# Altium PCB Graviton-EC2-Simplified.PcbDoc (part 1 of 9) (continued)
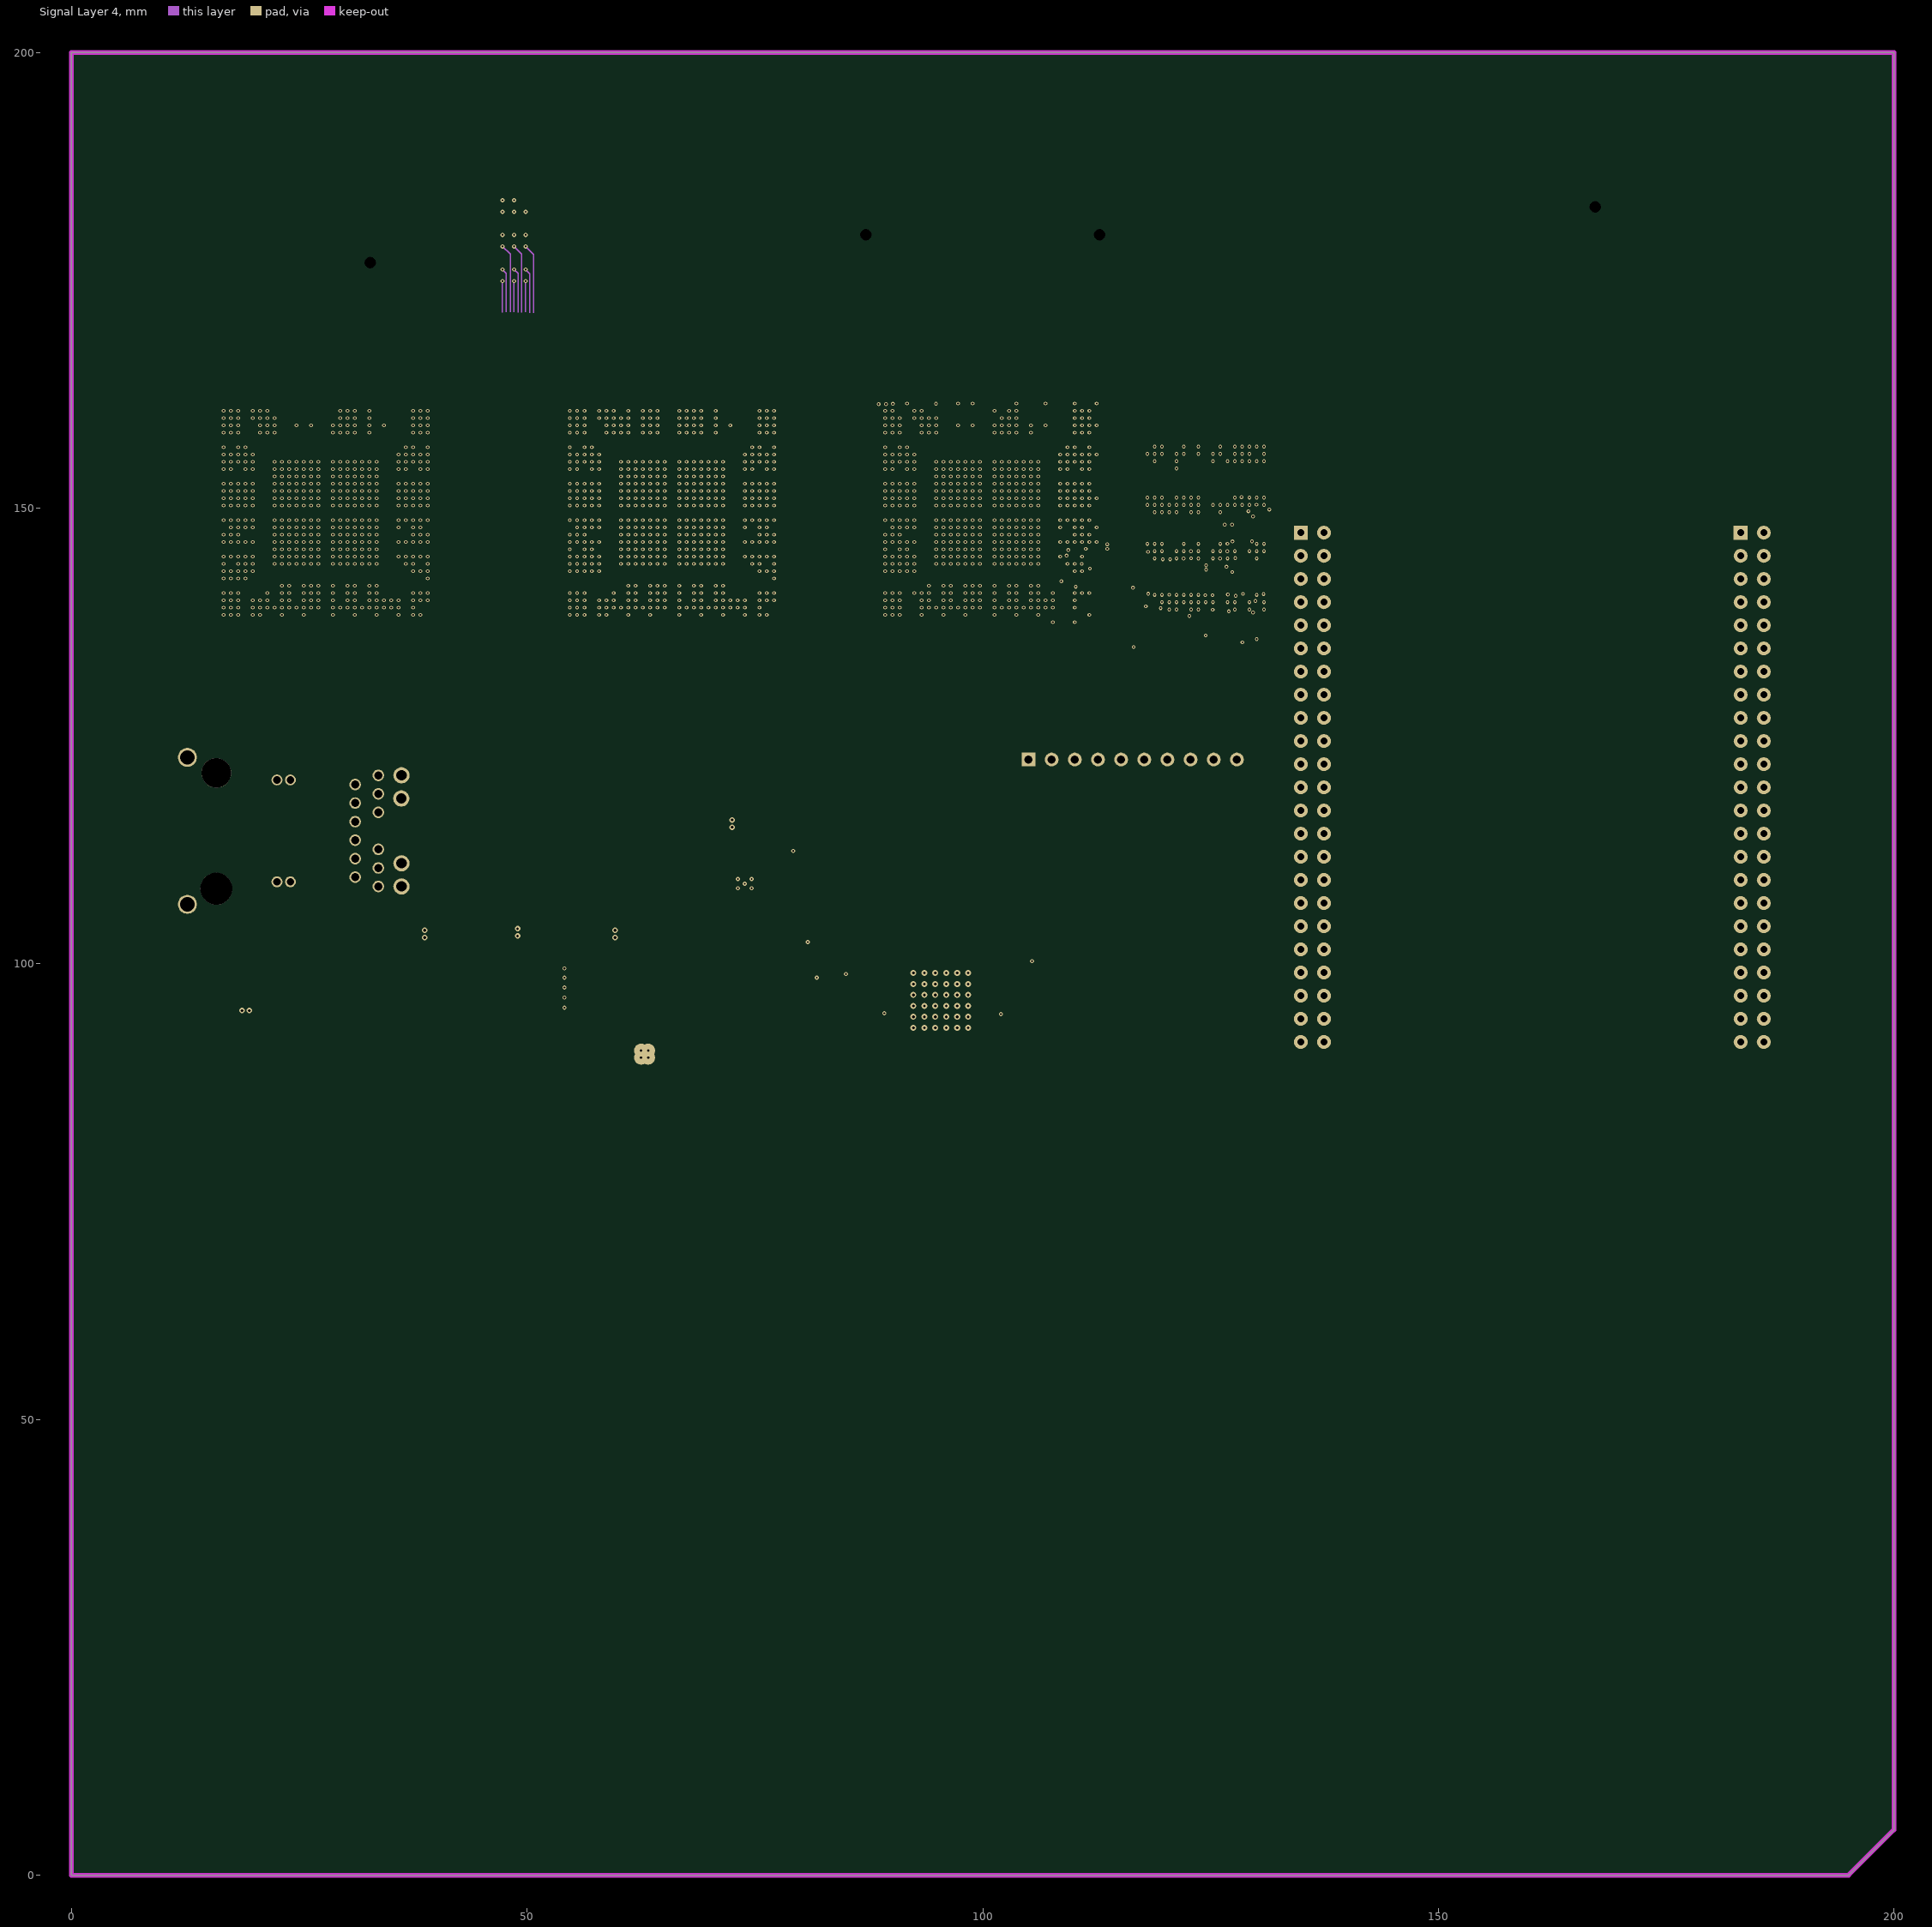
[diagram p8: Signal Layer 4]
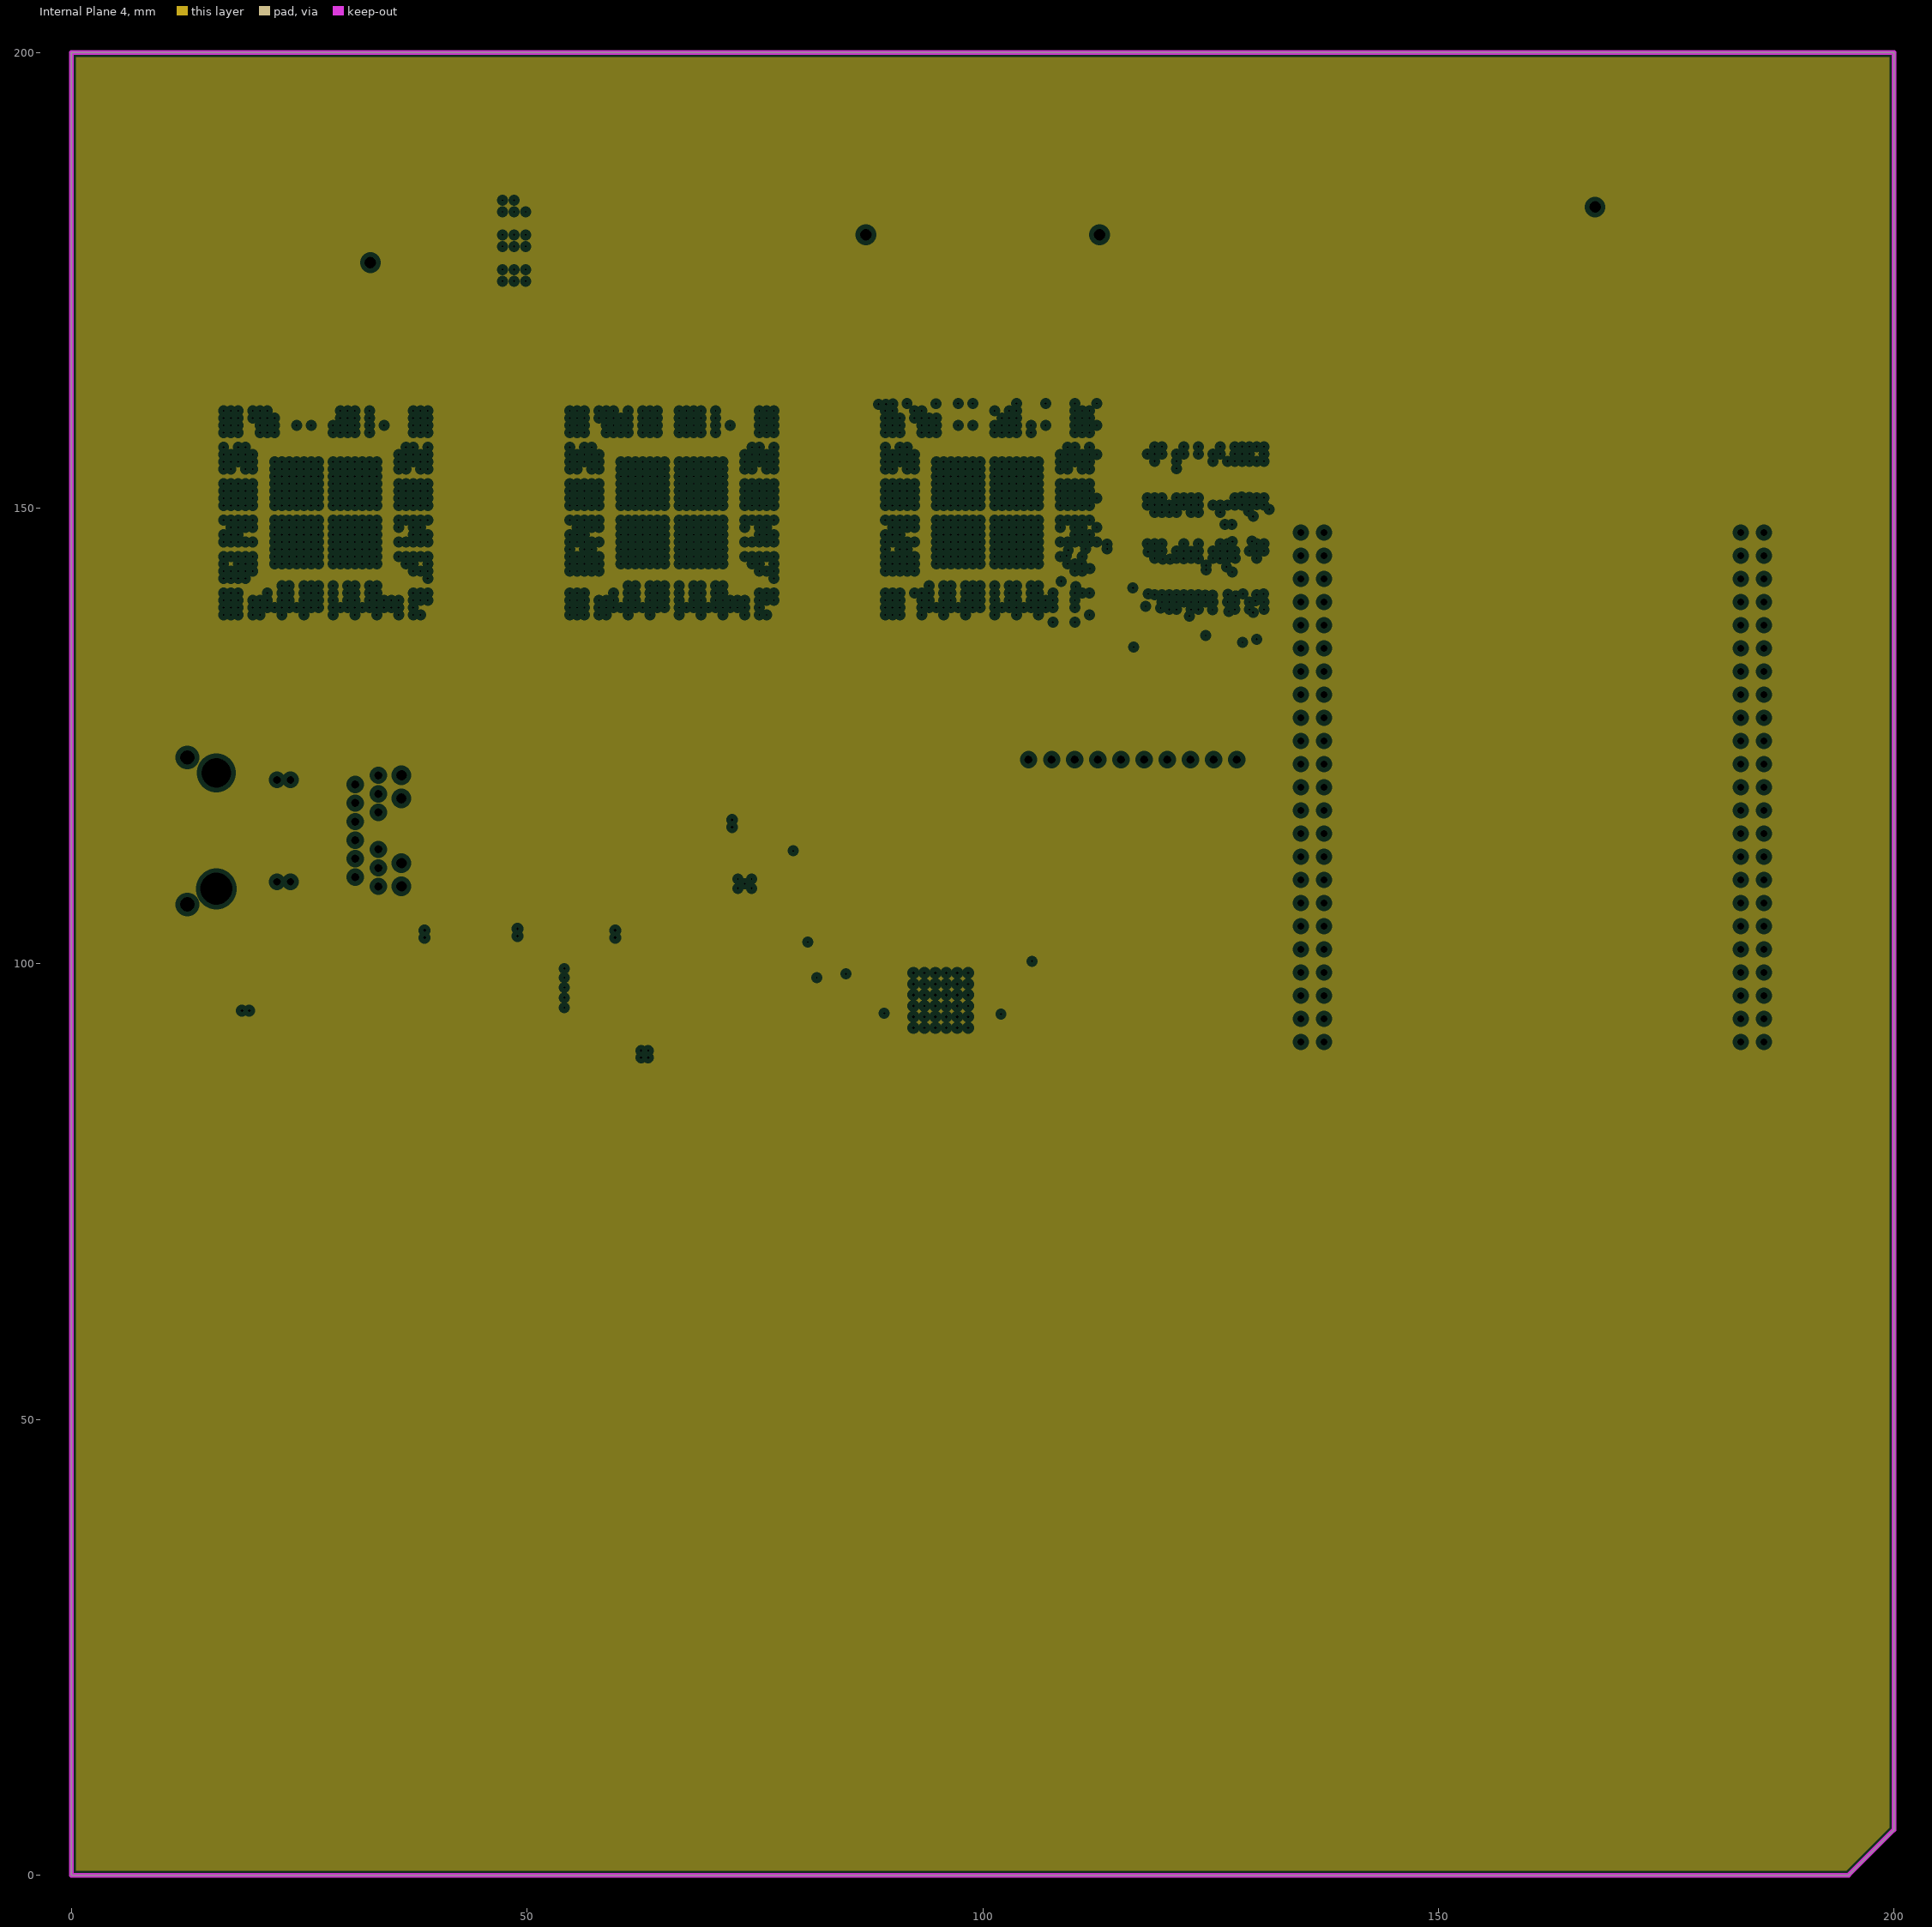
[diagram p9: Internal Plane 4, clearances drawn from the general rule]

## Layer stack, top to bottom
Top Solder: solder mask 0.0102, Solder Resist, Dk 3.5
Top Layer: signal copper 0.036
Dielectric 1: core 0.0991, FR408, Dk 3.67
Internal Plane 1: plane copper 0.018
Dielectric 2: prepreg 0.0991, FR408, Dk 3.67
Signal Layer 1: signal copper 0.018
Dielectric 3: core 0.0991, FR408, Dk 3.67
Internal Plane 2: plane copper 0.036
Dielectric 4: prepreg 0.127, FR408, Dk 4.2
Signal Layer 2: signal copper 0.018
Dielectric 5: core 0.254, FR408, Dk 4.2
Signal Layer 3: signal copper 0.018
Dielectric 6: prepreg 0.127, FR408, Dk 4.2
Internal Plane 3: plane copper 0.018
Dielectric 7: core 0.254, FR408, Dk 4.2
Signal Layer 4: signal copper 0.018
Dielectric 8: prepreg 0.127, FR408, Dk 4.2
Internal Plane 4: plane copper 0.018
Dielectric 9: core 0.254, FR408, Dk 4.2
Bottom Layer: signal copper 0.036
Bottom Solder: solder mask 0.0102, Solder Resist, Dk 3.5

## Board outline
0,0 195,0 200,5 200,200 0,200

## Design rules (kind name [scope] priority, off if disabled: settings)
Clearance Clearance_BGA [WithinRoom('BGA_U19A') Or WithinRoom('BGA_U19B') Or WithinRoom('BGA_U19C')] p1: gap=0.102
Clearance [All] p2: gap=0.127
ComponentClearance [All] p1 off: gap=0.254 collisioncheckmode=3 verticalgap=0.254 showdistances=FALSE
DiffPairsRouting [All] p1: maxlimit=0.127 minlimit=0.08 mostfreqgap=0.08 toplayer_mingap=0.127 toplayer_prefgap=0.127 toplayer_minwidth=0.076 toplayer_maxwidth=0.076 toplayer_prefwidth=0.076 midlayer2_maxgap=0.08 midlayer2_minwidth=0.076 midlayer2_maxwidth=0.076 midlayer2_prefwidth=0.076 midlayer4_maxgap=0.08 midlayer4_minwidth=0.076 midlayer4_maxwidth=0.076 midlayer4_prefwidth=0.076 midlayer5_maxgap=0.08 midlayer5_minwidth=0.076 midlayer5_maxwidth=0.076 midlayer5_prefwidth=0.076 midlayer7_maxgap=0.08 midlayer7_minwidth=0.076 midlayer7_maxwidth=0.076 midlayer7_prefwidth=0.076 bottomlayer_mingap=0.127 bottomlayer_prefgap=0.127 bottomlayer_minwidth=0.076 bottomlayer_maxwidth=0.076 bottomlayer_prefwidth=0.076 maxuncoupledlength=12.7
FanoutControl Fanout_BGA [IsBGA] p1: bgadir=Out bgaviamode=Centered fanoutstyle=BGA fanoutdirection=Alternating viagrid=0.025 // Fanout_BGA (Default Rule)
HoleSize [All] p1: absolutevalues=TRUE maxlimit=25.4 minlimit=0.254 maxpercent=80.000 minpercent=20.000
Length "Schematic Length Constraint" [InNet('NetR43_1')] p1: maxlimit=50.8 minlimit=0
MatchedLengths MatchedLengths-DDR-DQS0 [InNetClass('DDR-DQS0')] p1: tolerance=0.508 checknetsindiffpair=FALSE checkdiffpairvsdiffpair=TRUE checkxsignals=TRUE checkothers=TRUE
MatchedLengths MatchedLengths-DDR-ALL [InNetClass('DDR-ALL')] p2: tolerance=50.8 checknetsindiffpair=FALSE checkdiffpairvsdiffpair=TRUE checkxsignals=TRUE checkothers=TRUE
MatchedLengths MatchedLengths-DDR-DQS3 [InNetClass('DDR-DQS3')] p3: tolerance=0.508 checknetsindiffpair=FALSE checkdiffpairvsdiffpair=TRUE checkxsignals=TRUE checkothers=TRUE
MatchedLengths MatchedLengths-DDR-DQS2 [InNetClass('DDR-DQS2')] p4: tolerance=0.508 checknetsindiffpair=FALSE checkdiffpairvsdiffpair=TRUE checkxsignals=TRUE checkothers=TRUE
MatchedLengths MatchedLengths-DDR-DQS1 [InNetClass('DDR-DQS1')] p5: tolerance=0.508 checknetsindiffpair=FALSE checkdiffpairvsdiffpair=TRUE checkxsignals=TRUE checkothers=TRUE
MatchedLengths MatchedLengths-P1A.DDRCC [InNetClass('P1A.DDRCC')] p6: tolerance=6 checknetsindiffpair=FALSE checkdiffpairvsdiffpair=TRUE checkxsignals=TRUE checkothers=TRUE
MatchedLengths MatchedLengths-P1A.SDRCC [InNetClass('P1A.SDRCC')] p7: tolerance=6 checknetsindiffpair=FALSE checkdiffpairvsdiffpair=TRUE checkxsignals=TRUE checkothers=TRUE
MatchedLengths MatchedLengths-P1B.DDRCC [InNetClass('P1B.DDRCC')] p8: tolerance=6 checknetsindiffpair=FALSE checkdiffpairvsdiffpair=TRUE checkxsignals=TRUE checkothers=TRUE
MatchedLengths MatchedLengths-P1B.SDRCC [InNetClass('P1B.SDRCC')] p9: tolerance=6 checknetsindiffpair=FALSE checkdiffpairvsdiffpair=TRUE checkxsignals=TRUE checkothers=TRUE
MatchedLengths MatchedLengths-P2A.DDRCC [InNetClass('P2A.DDRCC')] p10: tolerance=6 checknetsindiffpair=FALSE checkdiffpairvsdiffpair=TRUE checkxsignals=TRUE checkothers=TRUE
MatchedLengths MatchedLengths-P2A.SDRCC [InNetClass('P2A.SDRCC')] p11: tolerance=6 checknetsindiffpair=FALSE checkdiffpairvsdiffpair=TRUE checkxsignals=TRUE checkothers=TRUE
MatchedLengths MatchedLengths-P2B.DDRCC [InNetClass('P2B.DDRCC')] p12: tolerance=6 checknetsindiffpair=FALSE checkdiffpairvsdiffpair=TRUE checkxsignals=TRUE checkothers=TRUE
MatchedLengths MatchedLengths-P2BSDRCC [InNetClass('P2B.SDRCC')] p13: tolerance=6 checknetsindiffpair=FALSE checkdiffpairvsdiffpair=TRUE checkxsignals=TRUE checkothers=TRUE
MatchedLengths MatchedLengths-GPMC [InNetClass('GPMC')] p14: tolerance=6 checknetsindiffpair=FALSE checkdiffpairvsdiffpair=TRUE checkxsignals=TRUE checkothers=TRUE
PlaneClearance [All] p1: clearance=0.508
PlaneConnect [All] p1: planeconnectstyle=Relief reliefexpansion=0.508 reliefentries=4 reliefconductorwidth=0.254 reliefairgap=0.254
PolygonConnect [All] p1: connectstyle=Direct reliefconductorwidth=0.254 reliefentries=4 polygonreliefangle="90 Angle" airgapwidth=0.254
RoomDefinition ENET-FPGA_7 [InComponentClass('ENET-FPGA')] p1: confinementstyle=ConfineIn formatcopy=TRUE lockcomponents=FALSE outline 200.92,16.858 212.92,16.858 212.92,27.858 200.92,27.858
RoomDefinition ENET-FPGA_6 [InComponentClass('ENET-FPGA')] p2: confinementstyle=ConfineIn formatcopy=TRUE lockcomponents=FALSE outline 200.92,16.858 212.92,16.858 212.92,27.858 200.92,27.858
RoomDefinition ENET-FPGA_5 [InComponentClass('ENET-FPGA')] p3: confinementstyle=ConfineIn formatcopy=TRUE lockcomponents=FALSE outline 200.92,16.858 212.92,16.858 212.92,27.858 200.92,27.858
RoomDefinition ENET-FPGA_4 [InComponentClass('ENET-FPGA')] p4: confinementstyle=ConfineIn formatcopy=TRUE lockcomponents=FALSE outline 200.92,16.858 212.92,16.858 212.92,27.858 200.92,27.858
RoomDefinition ENET-FPGA_3 [InComponentClass('ENET-FPGA')] p5: confinementstyle=ConfineIn formatcopy=TRUE lockcomponents=FALSE outline 200.92,16.858 212.92,16.858 212.92,27.858 200.92,27.858
RoomDefinition ENET-FPGA_2 [InComponentClass('ENET-FPGA')] p6: confinementstyle=ConfineIn formatcopy=TRUE lockcomponents=FALSE outline 200.92,16.858 212.92,16.858 212.92,27.858 200.92,27.858
RoomDefinition ENET-FPGA_1 [InComponentClass('ENET-FPGA')] p7: confinementstyle=ConfineIn formatcopy=TRUE lockcomponents=FALSE outline 200.92,16.858 212.92,16.858 212.92,27.858 200.92,27.858
RoomDefinition ENET-FPGA_8 [InComponentClass('ENET-FPGA')] p8: confinementstyle=ConfineIn formatcopy=TRUE lockcomponents=FALSE outline -63.08,-62.142 -12.28,-62.142 -12.28,-36.742 -63.08,-36.742
RoomDefinition ENET-FPGA [InComponentClass('ENET-FPGA')] p9: confinementstyle=ConfineIn formatcopy=TRUE lockcomponents=FALSE outline 340.5,603.1 526,603.1 526,631.3 340.5,631.3
RoomDefinition SW1V2 [InComponentClass('SW1V2')] p10: confinementstyle=ConfineIn formatcopy=TRUE lockcomponents=FALSE outline 43.7,229.9 53.1,229.9 53.1,240.5 43.7,240.5
RoomDefinition SW1V5 [InComponentClass('SW1V5')] p11: confinementstyle=ConfineIn formatcopy=TRUE lockcomponents=FALSE outline 53.1,229.9 62.5,229.9 62.5,240.5 53.1,240.5
RoomDefinition SW2V5 [InComponentClass('SW2V5')] p12: confinementstyle=ConfineIn formatcopy=TRUE lockcomponents=FALSE outline 62.5,229.9 71.9,229.9 71.9,240.5 62.5,240.5
RoomDefinition SW3V3 [InComponentClass('SW3V3')] p13: confinementstyle=ConfineIn formatcopy=TRUE lockcomponents=FALSE outline 71.9,229.9 81.3,229.9 81.3,240.5 71.9,240.5
RoomDefinition SW1V8 [InComponentClass('SW1V8')] p14: confinementstyle=ConfineIn formatcopy=TRUE lockcomponents=FALSE outline 34.3,229.9 43.7,229.9 43.7,240.5 34.3,240.5
RoomDefinition U_TXPA1B [InComponentClass('U_TXPA1B')] p15: confinementstyle=ConfineIn formatcopy=TRUE lockcomponents=FALSE outline 13.6,28.8 35.7,28.8 35.7,40.9 13.6,40.9
RoomDefinition U_TXPA1A [InComponentClass('U_TXPA1A')] p16: confinementstyle=ConfineIn formatcopy=TRUE lockcomponents=FALSE outline 164.4,27.85 186.5,27.85 186.5,39.95 164.4,39.95
RoomDefinition U_TXPA0B [InComponentClass('U_TXPA0B')] p17: confinementstyle=ConfineIn formatcopy=TRUE lockcomponents=FALSE outline 10,42.7 32.1,42.7 32.1,54.8 10,54.8
RoomDefinition U_TXPA0A [InComponentClass('U_TXPA0A')] p18: confinementstyle=ConfineIn formatcopy=TRUE lockcomponents=FALSE outline 160.8,42.25 182.9,42.25 182.9,54.35 160.8,54.35
RoomDefinition U_RXMIXB [InComponentClass('U_RXMIXB')] p19: confinementstyle=ConfineIn formatcopy=TRUE lockcomponents=FALSE outline 492,47.1 511.9,47.1 511.9,68.3 492,68.3
RoomDefinition U_RXMIXA [InComponentClass('U_RXMIXA')] p20: confinementstyle=ConfineIn formatcopy=TRUE lockcomponents=FALSE outline 518.3,50.9 544,50.9 544,67 518.3,67
RoomDefinition U_RFTXB [InComponentClass('U_RFTXB')] p21: confinementstyle=ConfineIn formatcopy=TRUE lockcomponents=FALSE outline 9.8,56.3 52.4,56.3 52.4,82.3 9.8,82.3
RoomDefinition U_RFTXA [InComponentClass('U_RFTXA')] p22: confinementstyle=ConfineIn formatcopy=TRUE lockcomponents=FALSE outline 160.6,55.775 203.2,55.775 203.2,81.775 160.6,81.775
RoomDefinition U_RFRXB [InComponentClass('U_RFRXB')] p23: confinementstyle=ConfineIn formatcopy=TRUE lockcomponents=FALSE outline 551.1,54.8 573.5,54.8 573.5,70.2 551.1,70.2
RoomDefinition U_RFRXA [InComponentClass('U_RFRXA')] p24: confinementstyle=ConfineIn formatcopy=TRUE lockcomponents=FALSE outline 584.5,57.3 602.4,57.3 602.4,71.5 584.5,71.5
RoomDefinition U_RFLNA1B [InComponentClass('U_RFLNA1B')] p25: confinementstyle=ConfineIn formatcopy=TRUE lockcomponents=FALSE outline 418.7,124.2 448.9,124.2 448.9,163.3 418.7,163.3
RoomDefinition U_RFLNA1A [InComponentClass('U_RFLNA1A')] p26: confinementstyle=ConfineIn formatcopy=TRUE lockcomponents=FALSE outline 453.4,120.3 481,120.3 481,162.1 453.4,162.1
RoomDefinition U_RFLNA0B [InComponentClass('U_RFLNA0B')] p27: confinementstyle=ConfineIn formatcopy=TRUE lockcomponents=FALSE outline 486.8,121.6 513.8,121.6 513.8,160.1 486.8,160.1
RoomDefinition U_RFLNA0A [InComponentClass('U_RFLNA0A')] p28: confinementstyle=ConfineIn formatcopy=TRUE lockcomponents=FALSE outline 522.1,122.2 561.3,122.2 561.3,158.2 522.1,158.2
RoomDefinition U_RFAMPB [InComponentClass('U_RFAMPB')] p29: confinementstyle=ConfineIn formatcopy=TRUE lockcomponents=FALSE outline 567.1,122.2 602.4,122.2 602.4,160.1 567.1,160.1
RoomDefinition U_DSA1B [InComponentClass('U_DSA1B')] p30: confinementstyle=ConfineIn formatcopy=TRUE lockcomponents=FALSE outline 418.1,76.6 448.3,76.6 448.3,115.8 418.1,115.8
RoomDefinition U_DSA1A [InComponentClass('U_DSA1A')] p31: confinementstyle=ConfineIn formatcopy=TRUE lockcomponents=FALSE outline 107.7,87.875 107.7,70.25 127.925,70.25 127.925,87.875
RoomDefinition U_DSA0B [InComponentClass('U_DSA0B')] p32: confinementstyle=ConfineIn formatcopy=TRUE lockcomponents=FALSE outline 454.1,79.2 478.5,79.2 478.5,114.5 454.1,114.5
RoomDefinition U_DSA0A [InComponentClass('U_DSA0A')] p33: confinementstyle=ConfineIn formatcopy=TRUE lockcomponents=FALSE outline 484.9,83 520.9,83 520.9,111.9 484.9,111.9
RoomDefinition U_AntennaB [InComponentClass('U_AntennaB')] p34: confinementstyle=ConfineIn formatcopy=TRUE lockcomponents=FALSE outline 526,83 558.8,83 558.8,111.3 526,111.3
RoomDefinition U_AntennaA [InComponentClass('U_AntennaA')] p35: confinementstyle=ConfineIn formatcopy=TRUE lockcomponents=FALSE outline 563.3,82.4 603.7,82.4 603.7,111.3 563.3,111.3
RoomDefinition FPGAPWRB [InComponentClass('FPGAPWRB')] p36: confinementstyle=ConfineIn formatcopy=TRUE lockcomponents=FALSE outline 201.5,762 376.6,762 376.6,771.5 201.5,771.5
RoomDefinition FPGAPWRA [InComponentClass('FPGAPWRA')] p37: confinementstyle=ConfineIn formatcopy=TRUE lockcomponents=FALSE outline 202.5,755.2 377.2,755.2 377.2,760.9 202.5,760.9
RoomDefinition FPGA8B [InComponentClass('FPGA8B')] p38: confinementstyle=ConfineIn formatcopy=TRUE lockcomponents=FALSE outline 202,746.9 376.4,746.9 376.4,753.8 202,753.8
RoomDefinition FPGA8A [InComponentClass('FPGA8A')] p39: confinementstyle=ConfineIn formatcopy=TRUE lockcomponents=FALSE outline 203.4,739.2 376.1,739.2 376.1,746.1 203.4,746.1
RoomDefinition FPGA7B [InComponentClass('FPGA7B')] p40: confinementstyle=ConfineIn formatcopy=TRUE lockcomponents=FALSE outline 203.4,728 296.3,728 296.3,736.3 203.4,736.3
RoomDefinition FPGA7A [InComponentClass('FPGA7A')] p41: confinementstyle=ConfineIn formatcopy=TRUE lockcomponents=FALSE outline 202.4,720.8 296.6,720.8 296.6,726.6 202.4,726.6
RoomDefinition FPGA6B [InComponentClass('FPGA6B')] p42: confinementstyle=ConfineIn formatcopy=TRUE lockcomponents=FALSE outline 205.3,709.9 297.4,709.9 297.4,718.6 205.3,718.6
RoomDefinition FPGA6A [InComponentClass('FPGA6A')] p43: confinementstyle=ConfineIn formatcopy=TRUE lockcomponents=FALSE outline 204.2,701.2 297,701.2 297,709.1 204.2,709.1
RoomDefinition FPGA4B [InComponentClass('FPGA4B')] p44: confinementstyle=ConfineIn formatcopy=TRUE lockcomponents=FALSE outline 202.4,693.2 254.6,693.2 254.6,701.2 202.4,701.2
RoomDefinition FPGA4A [InComponentClass('FPGA4A')] p45: confinementstyle=ConfineIn formatcopy=TRUE lockcomponents=FALSE outline 202.7,684.5 266.9,684.5 266.9,692.5 202.7,692.5
RoomDefinition FPGA3B [InComponentClass('FPGA3B')] p46: confinementstyle=ConfineIn formatcopy=TRUE lockcomponents=FALSE outline 202.7,676.1 301.4,676.1 301.4,683.4 202.7,683.4
RoomDefinition FPGA3A [InComponentClass('FPGA3A')] p47: confinementstyle=ConfineIn formatcopy=TRUE lockcomponents=FALSE outline 202.7,668.5 301.2,668.5 301.2,674.9 202.7,674.9
RoomDefinition FPGA2B [InComponentClass('FPGA2B')] p48: confinementstyle=ConfineIn formatcopy=TRUE lockcomponents=FALSE outline 202.2,658.3 294.1,658.3 294.1,667 202.2,667
RoomDefinition FPGA2A [InComponentClass('FPGA2A')] p49: confinementstyle=ConfineIn formatcopy=TRUE lockcomponents=FALSE outline 202.7,649.7 294.8,649.7 294.8,657.6 202.7,657.6
RoomDefinition FPGA1B [InComponentClass('FPGA1B')] p50: confinementstyle=ConfineIn formatcopy=TRUE lockcomponents=FALSE outline 202.7,640.5 272.5,640.5 272.5,648.7 202.7,648.7
RoomDefinition FPGA1A [InComponentClass('FPGA1A')] p51: confinementstyle=ConfineIn formatcopy=TRUE lockcomponents=FALSE outline 202.4,632.3 271.8,632.3 271.8,639.3 202.4,639.3
RoomDefinition FPGA0B [InComponentClass('FPGA0B')] p52: confinementstyle=ConfineIn formatcopy=TRUE lockcomponents=FALSE outline 202.2,622.9 304,622.9 304,631.3 202.2,631.3
RoomDefinition FPGA0A [InComponentClass('FPGA0A')] p53: confinementstyle=ConfineIn formatcopy=TRUE lockcomponents=FALSE outline 202.2,614.5 303,614.5 303,621.9 202.2,621.9
RoomDefinition U_sdram [InComponentClass('U_sdram')] p54: confinementstyle=ConfineIn formatcopy=TRUE lockcomponents=FALSE outline 238.8,422.8 333.3,422.8 333.3,446 238.8,446
RoomDefinition U_RFAMPA [InComponentClass('U_RFAMPA')] p55: confinementstyle=ConfineIn formatcopy=TRUE lockcomponents=FALSE outline 116.2,45.3 136.1,45.3 136.1,64.1 116.2,64.1
RoomDefinition U_processing [InComponentClass('U_processing')] p56: confinementstyle=ConfineIn formatcopy=TRUE lockcomponents=FALSE outline 199.42,405.358 219.42,405.358 219.42,442.858 199.42,442.858
RoomDefinition U_power [InComponentClass('U_power')] p57: confinementstyle=ConfineIn formatcopy=TRUE lockcomponents=FALSE outline 432.6,169 603,169 603,201.9 432.6,201.9
RoomDefinition U_lo-synth [InComponentClass('U_lo-synth')] p58: confinementstyle=ConfineIn formatcopy=TRUE lockcomponents=FALSE outline 104.75,29.305 89.45,29.305 89.45,16.805 104.75,16.805
RoomDefinition U_interlinkP2A [InComponentClass('U_interlinkP2A')] p59: confinementstyle=ConfineIn formatcopy=TRUE lockcomponents=FALSE outline 201.92,464.7 216.92,464.7 216.92,477.9 201.92,477.9
RoomDefinition U_interlinkP1A [InComponentClass('U_interlinkP1A')] p60: confinementstyle=ConfineIn formatcopy=TRUE lockcomponents=FALSE outline 240.8,465.9 272.9,465.9 272.9,478.2 240.8,478.2
RoomDefinition U_host-mcu [InComponentClass('U_host-mcu')] p61: confinementstyle=ConfineIn formatcopy=TRUE lockcomponents=TRUE outline 187.61,167 133,167 133,80.64 187.61,80.64
RoomDefinition U_ethernet [InComponentClass('U_ethernet')] p62: confinementstyle=ConfineIn formatcopy=TRUE lockcomponents=FALSE outline 125,442.5 125,350.5 167.1,350.5 167.1,442.5
RoomDefinition U_DAC [InComponentClass('U_DAC')] p63: confinementstyle=ConfineIn formatcopy=TRUE lockcomponents=FALSE outline -35.642,119 -35.642,68.08 -18.142,68.08 -18.142,119
RoomDefinition U_clock-dist [InComponentClass('U_clock-dist')] p64: confinementstyle=ConfineIn formatcopy=TRUE lockcomponents=FALSE outline 199.42,120.358 249.42,120.358 249.42,130.358 199.42,130.358
RoomDefinition U_clock [InComponentClass('U_clock')] p65: confinementstyle=ConfineIn formatcopy=TRUE lockcomponents=FALSE outline 401.2,-41.1 473,-41.1 473,47.1 401.2,47.1
RoomDefinition U_ADC [InComponentClass('U_ADC')] p66: confinementstyle=ConfineIn formatcopy=TRUE lockcomponents=FALSE outline 405.445,126.15 405.445,197.15 387.945,197.15 387.945,126.15
RoomDefinition CONFIGPWR [InComponentClass('CONFIGPWR')] p67: confinementstyle=ConfineIn formatcopy=TRUE lockcomponents=FALSE outline 201.92,60.358 299.42,60.358 299.42,67.858 201.92,67.858
RoomDefinition CONFIG8 [InComponentClass('CONFIG8')] p68: confinementstyle=ConfineIn formatcopy=TRUE lockcomponents=FALSE outline 2.5,488.5 172.5,488.5 172.5,503.5 2.5,503.5
RoomDefinition CONFIG2 [InComponentClass('CONFIG2')] p69: confinementstyle=ConfineIn formatcopy=TRUE lockcomponents=FALSE outline 235.5,334 282.8,334 282.8,342.4 235.5,342.4
RoomDefinition CONFIG0 [InComponentClass('CONFIG0')] p70: confinementstyle=ConfineIn formatcopy=TRUE lockcomponents=FALSE outline 391.8,412.6 444.6,412.6 444.6,432.7 391.8,432.7